# Altium PCB RockerBox_1_SiC780A_Rev01.PcbDoc (part 1 of 5) (continued)
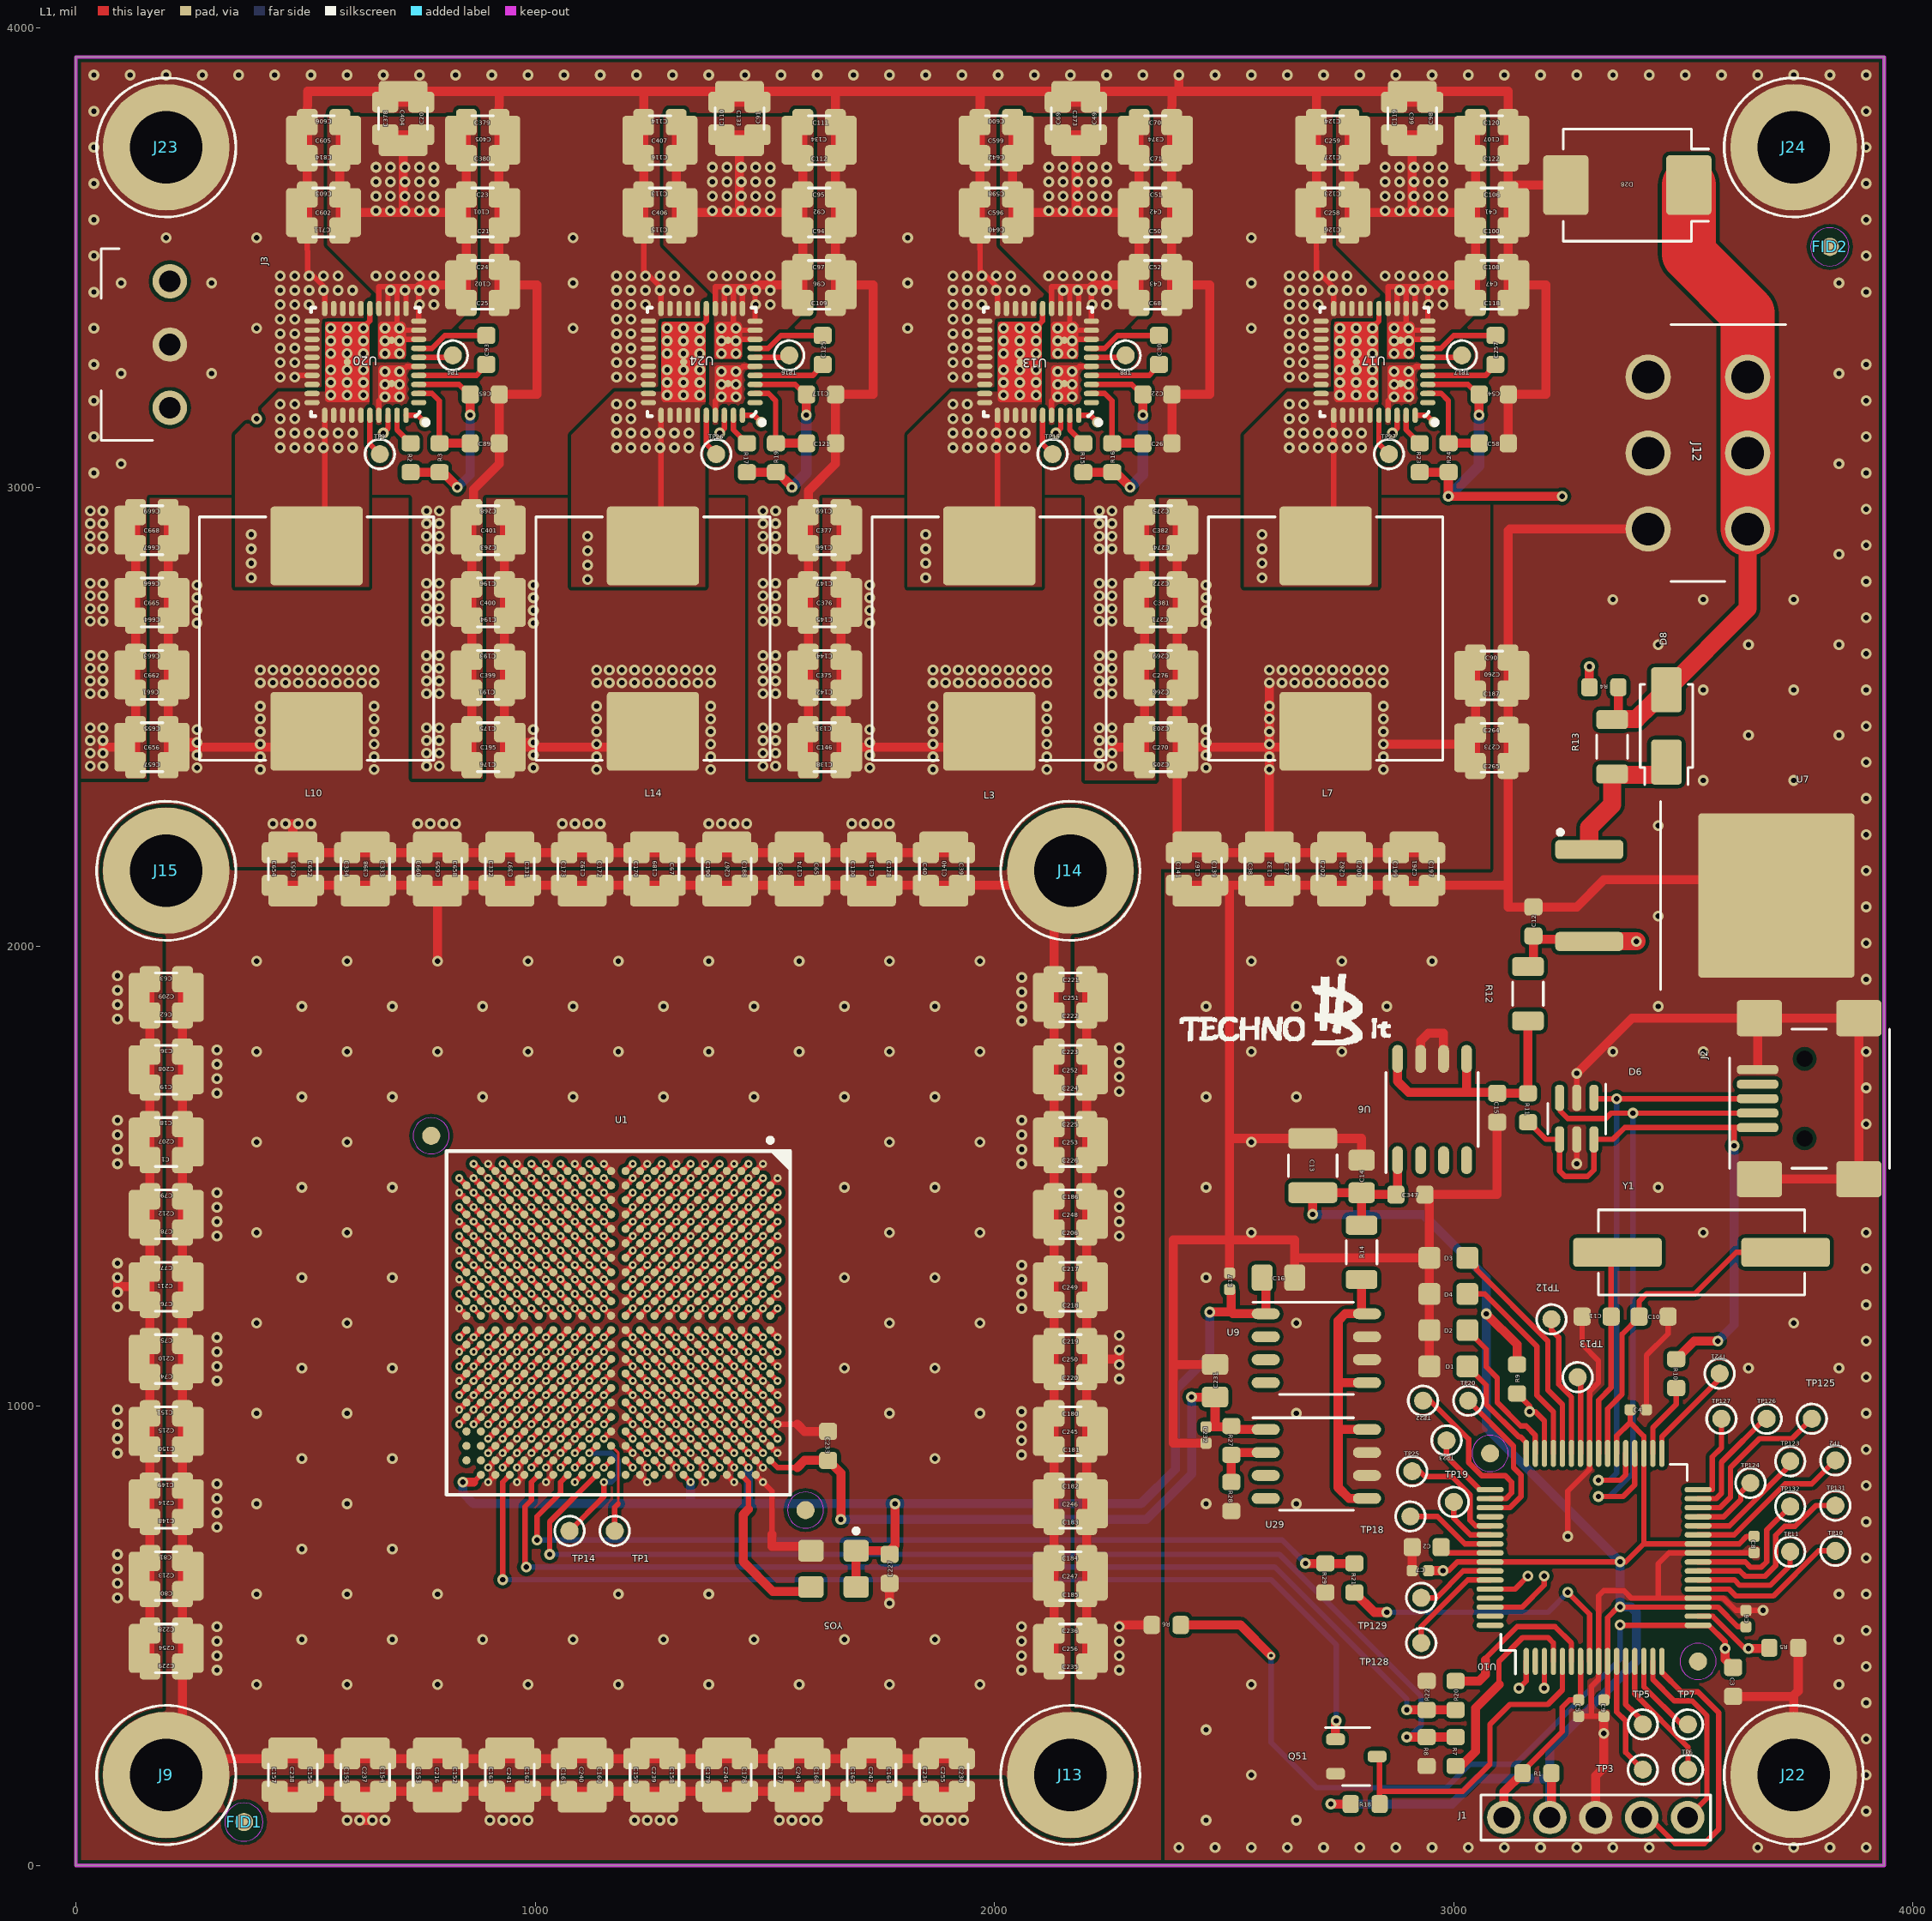
[diagram p0: L1 view]
## Design rules (kind name [scope] priority, off if disabled: settings) (continued)
PolygonConnect "Polygon Connect Style - L3 Round thru-hole pad from global defaults" [IsPad And OnMultiLayer And (PadShape_MidLayer1 = 'Round') And (PadXSize_MidLayer1 = PADYSize_MidLayer1) vs Layer = 'L3'] p25: connectstyle=Relief reliefconductorwidth=19.68 reliefentries=4 polygonreliefangle="90 Angle" airgapwidth=10
PolygonConnect "Polygon Connect Style - Via from round thru-hole global defaults" [IsVia] p26: connectstyle=Relief reliefconductorwidth=19.68 reliefentries=4 polygonreliefangle="90 Angle" airgapwidth=10
PolygonConnect "Polygon Connect Style - L1 Round thru-hole pad from global defaults" [IsPad And OnMultiLayer And (PadShape_TopLayer = 'Round') And (PadXSize_TopLayer = PADYSize_TopLayer) vs Layer = 'L1'] p27: connectstyle=Relief reliefconductorwidth=19.68 reliefentries=4 polygonreliefangle="90 Angle" airgapwidth=10
PolygonConnect "Polygon Connect Style - L4 Square thru-hole pad from global defaults" [IsPad And OnMultiLayer And ((PadShape_BottomLayer = 'Rectangular') Or (PadShape_BottomLayer = 'Octagonal') Or (PadShape_BottomLayer = 'Rounded Rectangle')) And (PadXSize_BottomLayer = PADYSize_BottomLayer) vs Layer = 'L4'] p28: connectstyle=Relief reliefconductorwidth=19.68 reliefentries=4 polygonreliefangle="90 Angle" airgapwidth=10
PolygonConnect "Polygon Connect Style - L3 Square thru-hole pad from global defaults" [IsPad And OnMultiLayer And ((PadShape_MidLayer1 = 'Rectangular') Or (PadShape_MidLayer1 = 'Octagonal') Or (PadShape_MidLayer1 = 'Rounded Rectangle')) And (PadXSize_MidLayer1 = PADYSize_MidLayer1) vs Layer = 'L3'] p29: connectstyle=Relief reliefconductorwidth=19.68 reliefentries=4 polygonreliefangle="90 Angle" airgapwidth=10
PolygonConnect "Polygon Connect Style - L1 Square thru-hole pad from global defaults" [IsPad And OnMultiLayer And ((PadShape_TopLayer = 'Rectangular') Or (PadShape_TopLayer = 'Octagonal') Or (PadShape_TopLayer = 'Rounded Rectangle')) And (PadXSize_TopLayer = PADYSize_TopLayer) vs Layer = 'L1'] p30: connectstyle=Relief reliefconductorwidth=19.68 reliefentries=4 polygonreliefangle="90 Angle" airgapwidth=10
PolygonConnect "Polygon Connect Style - L4 Rect thru-hole pad from global defaults" [IsPad And OnMultiLayer And ((PadShape_BottomLayer = 'Rectangular') Or (PadShape_BottomLayer = 'Octagonal') Or (PadShape_BottomLayer = 'Rounded Rectangle')) And (PadXSize_BottomLayer <> PADYSize_BottomLayer) vs Layer = 'L4'] p31: connectstyle=Relief reliefconductorwidth=19.68 reliefentries=4 polygonreliefangle="90 Angle" airgapwidth=10
PolygonConnect "Polygon Connect Style - L4 Square-rect thru-hole pad from global defaults" [IsPad And OnMultiLayer And (PadShape_BottomLayer = 'Rounded Rectangle') And (PadXSize_BottomLayer = PADYSize_BottomLayer) And (Pad_CornerRadius_BottomLayer = '0%') vs Layer = 'L4'] p32: connectstyle=Relief reliefconductorwidth=19.68 reliefentries=4 polygonreliefangle="90 Angle" airgapwidth=10
PolygonConnect "Polygon Connect Style - L3 Rect thru-hole pad from global defaults" [IsPad And OnMultiLayer And ((PadShape_MidLayer1 = 'Rectangular') Or (PadShape_MidLayer1 = 'Octagonal') Or (PadShape_MidLayer1 = 'Rounded Rectangle')) And (PadXSize_MidLayer1 <> PADYSize_MidLayer1) vs Layer = 'L3'] p33: connectstyle=Relief reliefconductorwidth=19.68 reliefentries=4 polygonreliefangle="90 Angle" airgapwidth=10
PolygonConnect "Polygon Connect Style - L3 Square-rect thru-hole pad from global defaults" [IsPad And OnMultiLayer And (PadShape_MidLayer1 = 'Rounded Rectangle') And (PadXSize_MidLayer1 = PADYSize_MidLayer1) And (Pad_CornerRadius_MidLayer1 = '0%') vs Layer = 'L3'] p34: connectstyle=Relief reliefconductorwidth=19.68 reliefentries=4 polygonreliefangle="90 Angle" airgapwidth=10
PolygonConnect "Polygon Connect Style - L1 Rect thru-hole pad from global defaults" [IsPad And OnMultiLayer And ((PadShape_TopLayer = 'Rectangular') Or (PadShape_TopLayer = 'Octagonal') Or (PadShape_TopLayer = 'Rounded Rectangle')) And (PadXSize_TopLayer <> PADYSize_TopLayer) vs Layer = 'L1'] p35: connectstyle=Relief reliefconductorwidth=19.68 reliefentries=4 polygonreliefangle="90 Angle" airgapwidth=10
PolygonConnect "Polygon Connect Style - L1 Square-rect thru-hole pad from global defaults" [IsPad And OnMultiLayer And (PadShape_TopLayer = 'Rounded Rectangle') And (PadXSize_TopLayer = PADYSize_TopLayer) And (Pad_CornerRadius_TopLayer = '0%') vs Layer = 'L1'] p36: connectstyle=Relief reliefconductorwidth=19.68 reliefentries=4 polygonreliefangle="90 Angle" airgapwidth=10
PolygonConnect "Polygon Connect Style - L4 Oval thru-hole pad from global defaults" [IsPad And OnMultiLayer And (PadShape_BottomLayer = 'Round') And (PadXSize_BottomLayer <> PADYSize_BottomLayer) vs Layer = 'L4'] p37: connectstyle=Relief reliefconductorwidth=19.68 reliefentries=4 polygonreliefangle="90 Angle" airgapwidth=10
PolygonConnect "Polygon Connect Style - L4 Round-oval thru-hole pad from global defaults" [IsPad And OnMultiLayer And (PadShape_BottomLayer = 'Rounded Rectangle') And (PadXSize_BottomLayer = PADYSize_BottomLayer) And (Pad_CornerRadius_BottomLayer = '100%') vs Layer = 'L4'] p38: connectstyle=Relief reliefconductorwidth=19.68 reliefentries=4 polygonreliefangle="90 Angle" airgapwidth=10
PolygonConnect "Polygon Connect Style - L3 Oval thru-hole pad from global defaults" [IsPad And OnMultiLayer And (PadShape_MidLayer1 = 'Round') And (PadXSize_MidLayer1 <> PADYSize_MidLayer1) vs Layer = 'L3'] p39: connectstyle=Relief reliefconductorwidth=19.68 reliefentries=4 polygonreliefangle="90 Angle" airgapwidth=10
PolygonConnect "Polygon Connect Style - L3 Round-oval thru-hole pad from global defaults" [IsPad And OnMultiLayer And (PadShape_MidLayer1 = 'Rounded Rectangle') And (PadXSize_MidLayer1 = PADYSize_MidLayer1) And (Pad_CornerRadius_MidLayer1 = '100%') vs Layer = 'L3'] p40: connectstyle=Relief reliefconductorwidth=19.68 reliefentries=4 polygonreliefangle="90 Angle" airgapwidth=10
PolygonConnect "Polygon Connect Style - L1 Oval thru-hole pad from global defaults" [IsPad And OnMultiLayer And (PadShape_TopLayer = 'Round') And (PadXSize_TopLayer <> PADYSize_TopLayer) vs Layer = 'L1'] p41: connectstyle=Relief reliefconductorwidth=19.68 reliefentries=4 polygonreliefangle="90 Angle" airgapwidth=10
PolygonConnect "Polygon Connect Style - L1 Round-oval thru-hole pad from global defaults" [IsPad And OnMultiLayer And (PadShape_TopLayer = 'Rounded Rectangle') And (PadXSize_TopLayer = PADYSize_TopLayer) And (Pad_CornerRadius_TopLayer = '100%') vs Layer = 'L1'] p42: connectstyle=Relief reliefconductorwidth=19.68 reliefentries=4 polygonreliefangle="90 Angle" airgapwidth=10
PolygonConnect [All] p43: connectstyle=Relief reliefconductorwidth=10 reliefentries=4 polygonreliefangle="90 Angle" airgapwidth=10
RoomDefinition U_CPU_Power [InComponentClass('U_CPU_Power')] p1: confinementstyle=ConfineIn formatcopy=TRUE lockcomponents=FALSE outline -27240.16,-29844.49 -25240.16,-29844.49 -25240.16,-28844.49 -27240.16,-28844.49
RoomDefinition U_CPU_Logic [InComponentClass('U_CPU_Logic')] p2: confinementstyle=ConfineIn formatcopy=TRUE lockcomponents=FALSE outline -27240.16,-29844.49 -25240.16,-29844.49 -25240.16,-28844.49 -27240.16,-28844.49
RoomDefinition SMPS [InComponentClass('SMPS')] p3: confinementstyle=ConfineIn formatcopy=TRUE lockcomponents=FALSE outline -27240.16,-29844.49 -25240.16,-29844.49 -25240.16,-28844.49 -27240.16,-28844.49
RoomDefinition MCU [InComponentClass('MCU')] p4: confinementstyle=ConfineIn formatcopy=TRUE lockcomponents=FALSE outline -27240.16,-29844.49 -25240.16,-29844.49 -25240.16,-28844.49 -27240.16,-28844.49
RoutingLayers "'Default' PADS rule_3" [All] p1: top layer_v5=TRUE mid layer 1_v5=TRUE bottom layer_v5=TRUE
RoutingPriority "'Default' PADS rule_2" [All] p1: routingpriority=3
RoutingTopology "'Default' PADS rule" [All] p1: topology=Shortest
RoutingVias "'Default' PADS rule_4" [All] p1: holewidth=11.81 width=23.62 viastyle="Through Hole" minholewidth=11.81 minwidth=23.62 maxholewidth=11.81 maxwidth=23.62
SMDToCorner "'All on Layer' PADS rule_50" [OnLayer('L2') vs OnLayer('L2')] p1: distance=39370
SMDToCorner "'All on Layer' PADS rule_35" [OnLayer('L3') vs OnLayer('L3')] p2: distance=39370
SMDToCorner "'Default' PADS rule_17" [All] p3: distance=39370
SMDToPlane "'All on Layer' PADS rule_51" [OnLayer('L2') vs OnLayer('L2')] p1: distance=39370
SMDToPlane "'All on Layer' PADS rule_36" [OnLayer('L3') vs OnLayer('L3')] p2: distance=39370
SMDToPlane "'Default' PADS rule_18" [All] p3: distance=39370
SolderMaskExpansion [All] p1: expansion=4
StubLength "'Default' PADS rule_6" [All] p1: limit=1000
UnpouredPolygon [All] p1: allowunpoured=FALSE
Width "'All on Layer' PADS rule_48" [OnLayer('L2') vs OnLayer('L2')] p1: maxlimit=118.11 minlimit=9.84 preferedwidth=11.81
Width "'All on Layer' PADS rule" [OnLayer('L3') vs OnLayer('L3')] p2: maxlimit=118.11 minlimit=9.84 preferedwidth=11.81
Width "'Default' PADS rule_14" [All] p3: maxlimit=118.11 minlimit=5.12 preferedwidth=19.68
23 further rules are at their usual default settings.

## Classes and differential pairs
component class U_CPU_Power: C1 C18 C19 C36 C62 C63 C74 C75 C76 C77 C78 C79 C80 C81 C148 C149 C150 C151 C152 C153 C154 C155 C156 C157 C158 C159 C160 C161 C162 C163 C164 C165 C168 C177 C178 C179 C180 C181 C182 C183 C184 C185 C186 C206 C207 C208 C209 C210 C211 C212 C213 C214 C215 C216 C217 C218 C219 C220 C221 C222 C223 C224 C225 C226 C228 C229 C230 C234 C235 C236 C237 C238 C239 C240 C241 C242 C243 C244 C245 C246 C247 C248 C249 C250 C251 C252 C253 C254 C255 C256 U1
component class U_CPU_Logic: C227 C233 TP1 TP14 YO5
component class SMPS: C20 C21 C22 C23 C24 C25 C26 C30 C37 C38 C39 C40 C41 C42 C43 C47 C49 C50 C51 C52 C54 C58 C65 C66 C67 C68 C69 C70 C71 C85 C89 C90 C91 C92 C93 C94 C95 C96 C97 C98 C99 C100 C101 C102 C106 C107 C108 C109 C110 C111 C112 C113 C114 C115 C116 C117 C118 C119 C120 C121 C122 C123 C124 C125 C126 C127 C128 C130 C131 C132 C133 C134 C138 C139 C140 C141 C142 C143 C144 C145 C146 C147 C166 C167 C169 C170 C172 C173 C174 C175 C176 C187 C188 C189 C190 C191 C192 C193 C194 C195 C196 C197 C199 C200 C202 C203 C205 C257 C258 C259 C260 C261 C262 C263 C264 C265 C266 C267 C268 C269 C270 C271 C272 C273 C274 C275 C276 C331 C332 C333 C334 C373 C374 C375 C376 C377 C378 C379 C380 C381 C382 C397 C398 C399 C400 C401 C404 C405 C406 C407 C596 C598 C599 C600 C602 C603 C605 C606 C640 C642 C652 C653 C654 C655 C656 C657 C658 C659 C660 C661 C662 C663 C664 C665 C666 C667 C668 C669 C711 C814 L3 L7 L10 L14 R2 R3 R15 R16 R17 R19 R23 R24 TP4 TP8 TP9 TP15 TP16 TP17 TP26 TP27 U13 U17 U20 U24
component class MCU: C2 C3 C4 C5 C6 C7 C8 C9 C10 C11 C12 C13 C14 C15 C16 C17 C231 C232 C347 D1 D2 D3 D4 D6 D8 D28 FID1 FID2 J1 J2 J3 J9 J12 J13 J14 J15 J22 J23 J24 Q51 R1 R4 R5 R6 R7 R8 R9 R10 R11 R12 R13 R14 R18 R20 R21 R22 R27 R28 R29 TP2 TP3 TP5 TP6 TP7 TP10 TP11 TP12 TP13 TP18 TP19 TP20 TP21 TP22 TP23 TP25 TP123 TP124 TP125 TP126 TP127 TP128 TP129 TP131 TP132 U6 U7 U9 U10 U29 Y1

## Components (designator, comment, footprint, x,y, rotation, side; value= is the part's Value field where it differs from the comment)
C1 "22uF" SMD_0805_CAPC2012X145N 196.85,1535.43 r180 top
C2 "10uF" SMD_0603_CAPC1608X95N 2940.94,692.91 r180 top
C3 "1nF" SMD_0603_CAPC1608X95N 3608.27,399.61 r270 top
C4 "100nF" SMD_0402_CAPC1005X55N 3401.57,992.13 r0 top
C5 "100nF" SMD_0402_CAPC1005X55N 3271.65,342.52 r270 top
C6 "100nF" SMD_0402_CAPC1005X55N 3635.83,537.4 r90 top
C7 "100nF" SMD_0402_CAPC1005X55N 2927.17,641.73 r180 top
C8 "100nF" SMD_0402_CAPC1005X55N 3653.54,698.82 r270 top
C9 "100nF" SMD_0402_CAPC1005X55N 3326.77,342.52 r270 top
C10 "18pF" SMD_0603_CAPC1608X95N 3435.04,1194.88 r0 top
C11 "18pF" SMD_0603_CAPC1608X95N 3311.02,1194.88 r180 top
C12 "10uF" SMD_0603_CAPC1608X95N 3173.43,2055.12 r90 top
C13 "220uF" SMD_1210_CAPC3225X279N 2692.91,1523.62 r270 top
C14 "22uF" SMD_0805_CAPC2012X145N 2799.21,1500 r90 top
C15 "10uF" SMD_0603_CAPC1608X95N 3094.49,1649.61 r270 top
C16 "22uF" SMD_0805_CAPC2012X145N 2618.11,1279.53 r0 top
C17 "100nF" SMD_0402_CAPC1005X55N 2511.81,1271.65 r90 top
C18 "22uF" SMD_0805_CAPC2012X145N 196.85,1614.17 r180 top
C19 "22uF" SMD_0805_CAPC2012X145N 196.85,1692.91 r180 top
C20 "10uF" SMD_0805_CAPC2012X145N 751.97,3803.15 r90 top
C21 "10uF" SMD_0805_CAPC2012X145N 885.83,3559.06 r0 top
C22 "10uF" SMD_0603_CAPC1608X95N 2354.78,3202.35 r180 top
C23 "10uF" SMD_0805_CAPC2012X145N 885.83,3637.8 r0 top
C24 "10uF" SMD_0805_CAPC2012X145N 885.83,3480.31 r0 top
C25 "10uF" SMD_0805_CAPC2012X145N 885.83,3401.57 r0 top
C26 "100nF" SMD_0603_CAPC1608X95N 2354.78,3096.05 r0 top
C30 "220nF" SMD_0603_CAPC1608X95N 2358.27,3299.21 r90 top
C36 "22uF" SMD_0805_CAPC2012X145N 196.85,1771.65 r180 top
C37 "22uF" SMD_0805_CAPC2012X145N 2637.79,2169.2 r270 top
C38 "22uF" SMD_0805_CAPC2012X145N 2559.05,2169.2 r270 top
C39 "22uF" SMD_0805_CAPC2012X145N 1929.13,2169.29 r270 top
C40 "22uF" SMD_0805_CAPC2012X145N 1850.39,2169.29 r270 top
C41 "100uF" SMD_1210_CAPC3225X270N 3082.68,3598.43 r180 top
C42 "100uF" SMD_1210_CAPC3225X270N 2350.39,3598.43 r180 top
C43 "100uF" SMD_1210_CAPC3225X270N 2350.39,3440.94 r180 top
C47 "100uF" SMD_1210_CAPC3225X270N 3082.68,3440.94 r180 top
C49 "10uF" SMD_0805_CAPC2012X145N 2216.54,3803.15 r90 top
C50 "10uF" SMD_0805_CAPC2012X145N 2350.39,3559.06 r0 top
C51 "10uF" SMD_0805_CAPC2012X145N 2350.39,3637.8 r0 top
C52 "10uF" SMD_0805_CAPC2012X145N 2350.39,3480.31 r0 top
C54 "10uF" SMD_0603_CAPC1608X95N 3087.07,3202.35 r180 top
C58 "100nF" SMD_0603_CAPC1608X95N 3087.07,3096.05 r0 top
C62 "22uF" SMD_0805_CAPC2012X145N 196.85,1850.39 r180 top
C63 "22uF" SMD_0805_CAPC2012X145N 196.85,1929.13 r180 top
C65 "22uF" SMD_0805_CAPC2012X145N 1614.17,2169.29 r270 top
C66 "22uF" SMD_0805_CAPC2012X145N 1535.43,2169.29 r270 top
C67 "22uF" SMD_0805_CAPC2012X145N 1299.21,2169.29 r270 top
C68 "10uF" SMD_0805_CAPC2012X145N 2350.39,3401.57 r0 top
C69 "10uF" SMD_0805_CAPC2012X145N 2137.8,3803.15 r90 top
C70 "10uF" SMD_0805_CAPC2012X145N 2350.39,3795.28 r0 top
C71 "10uF" SMD_0805_CAPC2012X145N 2350.39,3716.54 r0 top
C74 "22uF" SMD_0805_CAPC2012X145N 196.85,1062.99 r180 top
C75 "22uF" SMD_0805_CAPC2012X145N 196.85,1141.73 r180 top
C76 "22uF" SMD_0805_CAPC2012X145N 196.85,1220.47 r180 top
C77 "22uF" SMD_0805_CAPC2012X145N 196.85,1299.21 r180 top
C78 "22uF" SMD_0805_CAPC2012X145N 196.85,1377.95 r180 top
C79 "22uF" SMD_0805_CAPC2012X145N 196.85,1456.69 r180 top
C80 "22uF" SMD_0805_CAPC2012X145N 196.85,590.55 r180 top
C81 "22uF" SMD_0805_CAPC2012X145N 196.85,669.29 r180 top
C85 "10uF" SMD_0603_CAPC1608X95N 890.21,3202.35 r180 top
C89 "100nF" SMD_0603_CAPC1608X95N 890.21,3096.05 r0 top
C90 "22uF" SMD_0805_CAPC2012X145N 3082.68,2629.92 r0 top
C91 "10uF" SMD_0805_CAPC2012X145N 1484.25,3803.15 r90 top
C92 "100uF" SMD_1210_CAPC3225X270N 1618.11,3598.43 r180 top
C93 "220nF" SMD_0603_CAPC1608X95N 893.7,3299.21 r90 top
C94 "10uF" SMD_0805_CAPC2012X145N 1618.11,3559.06 r0 top
C95 "10uF" SMD_0805_CAPC2012X145N 1618.11,3637.8 r0 top
C96 "100uF" SMD_1210_CAPC3225X270N 1618.11,3440.94 r180 top
C97 "10uF" SMD_0805_CAPC2012X145N 1618.11,3480.31 r0 top
C98 "10uF" SMD_0805_CAPC2012X145N 2948.82,3803.15 r90 top
C99 "100uF" SMD_1210_CAPC3225X270N 2909.45,3803.15 r270 top
C100 "10uF" SMD_0805_CAPC2012X145N 3082.68,3559.06 r0 top
C101 "100uF" SMD_1210_CAPC3225X270N 885.83,3598.43 r180 top
C102 "100uF" SMD_1210_CAPC3225X270N 885.83,3440.94 r180 top
C106 "10uF" SMD_0805_CAPC2012X145N 3082.68,3637.8 r0 top
C107 "100uF" SMD_1210_CAPC3225X270N 3082.68,3755.91 r180 top
C108 "10uF" SMD_0805_CAPC2012X145N 3082.68,3480.31 r0 top
C109 "10uF" SMD_0805_CAPC2012X145N 1618.11,3401.57 r0 top
C110 "10uF" SMD_0805_CAPC2012X145N 1405.51,3803.15 r90 top
C111 "10uF" SMD_0805_CAPC2012X145N 1618.11,3795.28 r0 top
C112 "10uF" SMD_0805_CAPC2012X145N 1618.11,3716.54 r0 top
C113 "10uF" SMD_0805_CAPC2012X145N 1271.65,3637.8 r180 top
C114 "10uF" SMD_0805_CAPC2012X145N 1271.65,3795.28 r180 top
C115 "10uF" SMD_0805_CAPC2012X145N 1271.65,3559.06 r180 top
C116 "10uF" SMD_0805_CAPC2012X145N 1271.65,3716.54 r180 top
C117 "10uF" SMD_0603_CAPC1608X95N 1622.5,3202.35 r180 top
C118 "10uF" SMD_0805_CAPC2012X145N 3082.68,3401.57 r0 top
C119 "10uF" SMD_0805_CAPC2012X145N 2870.08,3803.15 r90 top
C120 "10uF" SMD_0805_CAPC2012X145N 3082.68,3795.28 r0 top
C121 "100nF" SMD_0603_CAPC1608X95N 1622.5,3096.05 r0 top
C122 "10uF" SMD_0805_CAPC2012X145N 3082.68,3716.54 r0 top
C123 "10uF" SMD_0805_CAPC2012X145N 2736.22,3637.8 r180 top
C124 "10uF" SMD_0805_CAPC2012X145N 2736.22,3795.28 r180 top
C125 "220nF" SMD_0603_CAPC1608X95N 1625.98,3299.21 r90 top
C126 "10uF" SMD_0805_CAPC2012X145N 2736.22,3559.06 r180 top
C127 "10uF" SMD_0805_CAPC2012X145N 2736.22,3716.54 r180 top
C128 "22uF" SMD_0805_CAPC2012X145N 1771.65,2169.29 r270 top
C130 "22uF" SMD_0805_CAPC2012X145N 1692.91,2169.29 r270 top
C131 "22uF" SMD_0805_CAPC2012X145N 1630.05,2473.81 r180 top
C132 "220uF" SMD_1210_CAPC3225X279N 2598.42,2169.2 r90 top
C133 "100uF" SMD_1210_CAPC3225X270N 1444.88,3803.15 r270 top
C134 "100uF" SMD_1210_CAPC3225X270N 1618.11,3755.91 r180 top
C138 "22uF" SMD_0805_CAPC2012X145N 1630.05,2395.07 r180 top
C139 "22uF" SMD_0805_CAPC2012X145N 2480.31,2169.2 r270 top
C140 "220uF" SMD_1210_CAPC3225X279N 1889.76,2169.29 r90 top
C141 "22uF" SMD_0805_CAPC2012X145N 2401.57,2169.2 r270 top
C142 "22uF" SMD_0805_CAPC2012X145N 1630.05,2552.55 r180 top
C143 "220uF" SMD_1210_CAPC3225X279N 1732.28,2169.29 r90 top
C144 "22uF" SMD_0805_CAPC2012X145N 1630.05,2631.29 r180 top
C145 "22uF" SMD_0805_CAPC2012X145N 1630.05,2710.03 r180 top
C146 "220uF" SMD_1210_CAPC3225X279N 1630.05,2434.44 r0 top
C147 "22uF" SMD_0805_CAPC2012X145N 1630.05,2788.77 r180 top
C148 "22uF" SMD_0805_CAPC2012X145N 196.85,748.03 r180 top
C149 "22uF" SMD_0805_CAPC2012X145N 196.85,826.77 r180 top
C150 "22uF" SMD_0805_CAPC2012X145N 196.85,905.51 r180 top
C151 "22uF" SMD_0805_CAPC2012X145N 196.85,984.25 r180 top
C152 "22uF" SMD_0805_CAPC2012X145N 826.77,196.85 r270 top
C153 "22uF" SMD_0805_CAPC2012X145N 748.03,196.85 r270 top
C154 "22uF" SMD_0805_CAPC2012X145N 669.29,196.85 r270 top
C155 "22uF" SMD_0805_CAPC2012X145N 590.55,196.85 r270 top
C156 "22uF" SMD_0805_CAPC2012X145N 511.81,196.85 r270 top
C157 "22uF" SMD_0805_CAPC2012X145N 433.07,196.85 r270 top
C158 "22uF" SMD_0805_CAPC2012X145N 1299.21,196.85 r270 top
C159 "22uF" SMD_0805_CAPC2012X145N 1220.47,196.85 r270 top
C160 "22uF" SMD_0805_CAPC2012X145N 1141.73,196.85 r270 top
C161 "22uF" SMD_0805_CAPC2012X145N 1062.99,196.85 r270 top
C162 "22uF" SMD_0805_CAPC2012X145N 984.25,196.85 r270 top
C163 "22uF" SMD_0805_CAPC2012X145N 905.51,196.85 r270 top
C164 "22uF" SMD_0805_CAPC2012X145N 1771.65,196.85 r270 top
C165 "22uF" SMD_0805_CAPC2012X145N 1692.91,196.85 r270 top
C166 "22uF" SMD_0805_CAPC2012X145N 1630.05,2867.51 r180 top
C167 "220uF" SMD_1210_CAPC3225X279N 2440.94,2169.2 r90 top
C168 "22uF" SMD_0805_CAPC2012X145N 1614.17,196.85 r270 top
C169 "22uF" SMD_0805_CAPC2012X145N 1630.05,2946.25 r180 top
C170 "22uF" SMD_0805_CAPC2012X145N 1220.47,2169.29 r270 top
C172 "22uF" SMD_0805_CAPC2012X145N 1141.73,2169.29 r270 top
C173 "22uF" SMD_0805_CAPC2012X145N 1062.99,2169.29 r270 top
C174 "220uF" SMD_1210_CAPC3225X279N 1574.8,2169.29 r90 top
C175 "22uF" SMD_0805_CAPC2012X145N 897.76,2473.81 r180 top
C176 "22uF" SMD_0805_CAPC2012X145N 897.76,2395.07 r180 top
C177 "22uF" SMD_0805_CAPC2012X145N 1535.43,196.85 r270 top
C178 "22uF" SMD_0805_CAPC2012X145N 1456.69,196.85 r270 top
C179 "22uF" SMD_0805_CAPC2012X145N 1377.95,196.85 r270 top
C180 "22uF" SMD_0805_CAPC2012X145N 2165.35,984.25 r0 top
C181 "22uF" SMD_0805_CAPC2012X145N 2165.35,905.51 r0 top
C182 "22uF" SMD_0805_CAPC2012X145N 2165.35,826.77 r0 top
C183 "22uF" SMD_0805_CAPC2012X145N 2165.35,748.03 r0 top
C184 "22uF" SMD_0805_CAPC2012X145N 2165.35,669.29 r0 top
C185 "22uF" SMD_0805_CAPC2012X145N 2165.35,590.55 r0 top
C186 "22uF" SMD_0805_CAPC2012X145N 2165.35,1456.69 r0 top
C187 "22uF" SMD_0805_CAPC2012X145N 3082.68,2551.18 r0 top
C188 "22uF" SMD_0805_CAPC2012X145N 1456.69,2169.29 r270 top
C189 "220uF" SMD_1210_CAPC3225X279N 1259.84,2169.29 r90 top
C190 "22uF" SMD_0805_CAPC2012X145N 1377.95,2169.29 r270 top
C191 "22uF" SMD_0805_CAPC2012X145N 897.76,2552.55 r180 top
C192 "220uF" SMD_1210_CAPC3225X279N 1102.36,2169.29 r90 top
C193 "22uF" SMD_0805_CAPC2012X145N 897.76,2631.29 r180 top
C194 "22uF" SMD_0805_CAPC2012X145N 897.76,2710.03 r180 top
C195 "220uF" SMD_1210_CAPC3225X279N 897.76,2434.44 r0 top
C196 "22uF" SMD_0805_CAPC2012X145N 897.76,2788.77 r180 top
C197 "22uF" SMD_0805_CAPC2012X145N 2952.76,2169.29 r270 top
C199 "22uF" SMD_0805_CAPC2012X145N 2874.02,2169.29 r270 top
C200 "22uF" SMD_0805_CAPC2012X145N 2795.28,2169.29 r270 top
C202 "22uF" SMD_0805_CAPC2012X145N 2716.54,2169.29 r270 top
C203 "22uF" SMD_0805_CAPC2012X145N 2362.33,2473.81 r180 top
C205 "22uF" SMD_0805_CAPC2012X145N 2362.33,2395.07 r180 top
C206 "22uF" SMD_0805_CAPC2012X145N 2165.35,1377.95 r0 top
C207 "220uF" SMD_1210_CAPC3225X279N 196.85,1574.8 r180 top
C208 "220uF" SMD_1210_CAPC3225X279N 196.85,1732.28 r180 top
C209 "220uF" SMD_1210_CAPC3225X279N 196.85,1889.76 r180 top
C210 "220uF" SMD_1210_CAPC3225X279N 196.85,1102.36 r180 top
C211 "220uF" SMD_1210_CAPC3225X279N 196.85,1259.84 r180 top
C212 "220uF" SMD_1210_CAPC3225X279N 196.85,1417.32 r180 top
C213 "220uF" SMD_1210_CAPC3225X279N 196.85,629.92 r180 top
C214 "220uF" SMD_1210_CAPC3225X279N 196.85,787.4 r180 top
C215 "220uF" SMD_1210_CAPC3225X279N 196.85,944.88 r180 top
C216 "220uF" SMD_1210_CAPC3225X279N 787.4,196.85 r270 top
C217 "22uF" SMD_0805_CAPC2012X145N 2165.35,1299.21 r0 top
C218 "22uF" SMD_0805_CAPC2012X145N 2165.35,1220.47 r0 top
C219 "22uF" SMD_0805_CAPC2012X145N 2165.35,1141.73 r0 top
C220 "22uF" SMD_0805_CAPC2012X145N 2165.35,1062.99 r0 top
C221 "22uF" SMD_0805_CAPC2012X145N 2165.35,1929.13 r0 top
C222 "22uF" SMD_0805_CAPC2012X145N 2165.35,1850.39 r0 top
C223 "22uF" SMD_0805_CAPC2012X145N 2165.35,1771.65 r0 top
C224 "22uF" SMD_0805_CAPC2012X145N 2165.35,1692.91 r0 top
C225 "22uF" SMD_0805_CAPC2012X145N 2165.35,1614.17 r0 top
C226 "22uF" SMD_0805_CAPC2012X145N 2165.35,1535.43 r0 top
C227 "470nF" SMD_0603_CAPC1608X95N 1771.65,645.67 r90 top
C228 "22uF" SMD_0805_CAPC2012X145N 196.85,511.81 r180 top
C229 "22uF" SMD_0805_CAPC2012X145N 196.85,433.07 r180 top
C230 "22uF" SMD_0805_CAPC2012X145N 1929.13,196.85 r270 top
C231 "22uF" SMD_0805_CAPC2012X145N 2480.31,1055.12 r90 top
C232 "100nF" SMD_0402_CAPC1005X55N 2460.63,937.01 r270 top
C233 "470nF" SMD_0603_CAPC1608X95N 1637.8,913.39 r270 top
C234 "22uF" SMD_0805_CAPC2012X145N 1850.39,196.85 r270 top
C235 "22uF" SMD_0805_CAPC2012X145N 2165.35,433.07 r0 top
C236 "22uF" SMD_0805_CAPC2012X145N 2165.35,511.81 r0 top
C237 "220uF" SMD_1210_CAPC3225X279N 629.92,196.85 r270 top
C238 "220uF" SMD_1210_CAPC3225X279N 472.44,196.85 r270 top
C239 "220uF" SMD_1210_CAPC3225X279N 1259.84,196.85 r270 top
C240 "220uF" SMD_1210_CAPC3225X279N 1102.36,196.85 r270 top
C241 "220uF" SMD_1210_CAPC3225X279N 944.88,196.85 r270 top
C242 "220uF" SMD_1210_CAPC3225X279N 1732.28,196.85 r270 top
C243 "220uF" SMD_1210_CAPC3225X279N 1574.8,196.85 r270 top
C244 "220uF" SMD_1210_CAPC3225X279N 1417.32,196.85 r270 top
C245 "220uF" SMD_1210_CAPC3225X279N 2165.35,944.88 r0 top
C246 "220uF" SMD_1210_CAPC3225X279N 2165.35,787.4 r0 top
C247 "220uF" SMD_1210_CAPC3225X279N 2165.35,629.92 r0 top
C248 "220uF" SMD_1210_CAPC3225X279N 2165.35,1417.32 r0 top
C249 "220uF" SMD_1210_CAPC3225X279N 2165.35,1259.84 r0 top
C250 "220uF" SMD_1210_CAPC3225X279N 2165.35,1102.36 r0 top
C251 "220uF" SMD_1210_CAPC3225X279N 2165.35,1889.76 r0 top
C252 "220uF" SMD_1210_CAPC3225X279N 2165.35,1732.28 r0 top
C253 "220uF" SMD_1210_CAPC3225X279N 2165.35,1574.8 r0 top
C254 "220uF" SMD_1210_CAPC3225X279N 196.85,472.44 r180 top
C255 "220uF" SMD_1210_CAPC3225X279N 1889.76,196.85 r270 top
C256 "220uF" SMD_1210_CAPC3225X279N 2165.35,472.44 r0 top
C257 "220nF" SMD_0603_CAPC1608X95N 3090.55,3299.21 r90 top
C258 "100uF" SMD_1210_CAPC3225X270N 2736.22,3598.43 r0 top
C259 "100uF" SMD_1210_CAPC3225X270N 2736.22,3755.91 r0 top
C260 "220uF" SMD_1210_CAPC3225X279N 3082.68,2590.55 r180 top
C261 "220uF" SMD_1210_CAPC3225X279N 2913.39,2169.29 r90 top
C262 "220uF" SMD_1210_CAPC3225X279N 2755.91,2169.29 r90 top
C263 "22uF" SMD_0805_CAPC2012X145N 897.76,2867.51 r180 top
C264 "22uF" SMD_0805_CAPC2012X145N 3082.68,2472.44 r0 top
C265 "22uF" SMD_0805_CAPC2012X145N 3082.68,2393.7 r0 top
C266 "22uF" SMD_0805_CAPC2012X145N 2362.33,2552.55 r180 top
C267 "220uF" SMD_1210_CAPC3225X279N 1417.32,2169.29 r90 top
C268 "22uF" SMD_0805_CAPC2012X145N 897.76,2946.25 r180 top
C269 "22uF" SMD_0805_CAPC2012X145N 2362.33,2631.29 r180 top
C270 "220uF" SMD_1210_CAPC3225X279N 2362.33,2434.44 r0 top
C271 "22uF" SMD_0805_CAPC2012X145N 2362.33,2710.03 r180 top
C272 "22uF" SMD_0805_CAPC2012X145N 2362.33,2788.77 r180 top
C273 "220uF" SMD_1210_CAPC3225X279N 3082.68,2433.07 r180 top
C274 "22uF" SMD_0805_CAPC2012X145N 2362.33,2867.51 r180 top
C275 "22uF" SMD_0805_CAPC2012X145N 2362.33,2946.25 r180 top
C276 "220uF" SMD_1210_CAPC3225X279N 2362.33,2591.92 r0 top
C331 "22uF" SMD_0805_CAPC2012X145N 984.25,2169.29 r270 top
C332 "22uF" SMD_0805_CAPC2012X145N 905.51,2169.29 r270 top
C333 "22uF" SMD_0805_CAPC2012X145N 669.29,2169.29 r270 top
C334 "22uF" SMD_0805_CAPC2012X145N 590.55,2169.29 r270 top
C347 "1uF" SMD_0603_CAPC1608X95N 2905.51,1460.63 r0 top
C373 "100uF" SMD_1210_CAPC3225X270N 2177.17,3803.15 r270 top
C374 "100uF" SMD_1210_CAPC3225X270N 2350.39,3755.91 r180 top
C375 "220uF" SMD_1210_CAPC3225X279N 1630.05,2591.92 r0 top
C376 "220uF" SMD_1210_CAPC3225X279N 1630.05,2749.4 r0 top
C377 "220uF" SMD_1210_CAPC3225X279N 1630.05,2906.88 r0 top
C378 "10uF" SMD_0805_CAPC2012X145N 673.23,3803.15 r90 top
C379 "10uF" SMD_0805_CAPC2012X145N 885.83,3795.28 r0 top
C380 "10uF" SMD_0805_CAPC2012X145N 885.83,3716.54 r0 top
C381 "220uF" SMD_1210_CAPC3225X279N 2362.33,2749.4 r0 top
C382 "220uF" SMD_1210_CAPC3225X279N 2362.33,2906.88 r0 top
C397 "220uF" SMD_1210_CAPC3225X279N 944.88,2169.29 r90 top
C398 "220uF" SMD_1210_CAPC3225X279N 629.92,2169.29 r90 top
C399 "220uF" SMD_1210_CAPC3225X279N 897.76,2591.92 r0 top
C400 "220uF" SMD_1210_CAPC3225X279N 897.76,2749.4 r0 top
C401 "220uF" SMD_1210_CAPC3225X279N 897.76,2906.88 r0 top
C404 "100uF" SMD_1210_CAPC3225X270N 712.6,3803.15 r270 top
C405 "100uF" SMD_1210_CAPC3225X270N 885.83,3755.91 r180 top
C406 "100uF" SMD_1210_CAPC3225X270N 1271.65,3598.43 r0 top
C407 "100uF" SMD_1210_CAPC3225X270N 1271.65,3755.91 r0 top
C596 "100uF" SMD_1210_CAPC3225X270N 2003.94,3598.43 r0 top
C598 "10uF" SMD_0805_CAPC2012X145N 2003.94,3637.8 r180 top
C599 "100uF" SMD_1210_CAPC3225X270N 2003.94,3755.91 r0 top
C600 "10uF" SMD_0805_CAPC2012X145N 2003.94,3795.28 r180 top
C602 "100uF" SMD_1210_CAPC3225X270N 539.37,3598.43 r0 top
C603 "10uF" SMD_0805_CAPC2012X145N 539.37,3637.8 r180 top
C605 "100uF" SMD_1210_CAPC3225X270N 539.37,3755.91 r0 top
C606 "10uF" SMD_0805_CAPC2012X145N 539.37,3795.28 r180 top
C640 "10uF" SMD_0805_CAPC2012X145N 2003.94,3559.06 r180 top
C642 "10uF" SMD_0805_CAPC2012X145N 2003.94,3716.54 r180 top
C652 "22uF" SMD_0805_CAPC2012X145N 511.81,2169.29 r270 top
C653 "220uF" SMD_1210_CAPC3225X279N 472.44,2169.29 r90 top
C654 "22uF" SMD_0805_CAPC2012X145N 433.07,2169.29 r270 top
C655 "22uF" SMD_0805_CAPC2012X145N 165.48,2473.81 r180 top
C656 "220uF" SMD_1210_CAPC3225X279N 165.48,2434.44 r0 top
C657 "22uF" SMD_0805_CAPC2012X145N 165.48,2395.07 r180 top
C658 "22uF" SMD_0805_CAPC2012X145N 826.77,2169.29 r270 top
C659 "220uF" SMD_1210_CAPC3225X279N 787.4,2169.29 r90 top
C660 "22uF" SMD_0805_CAPC2012X145N 748.03,2169.29 r270 top
C661 "22uF" SMD_0805_CAPC2012X145N 165.48,2552.55 r180 top
C662 "220uF" SMD_1210_CAPC3225X279N 165.48,2591.92 r0 top
C663 "22uF" SMD_0805_CAPC2012X145N 165.48,2631.29 r180 top
C664 "22uF" SMD_0805_CAPC2012X145N 165.48,2710.03 r180 top
C665 "220uF" SMD_1210_CAPC3225X279N 165.48,2749.4 r0 top
C666 "22uF" SMD_0805_CAPC2012X145N 165.48,2788.77 r180 top
C667 "22uF" SMD_0805_CAPC2012X145N 165.48,2867.51 r180 top
C668 "220uF" SMD_1210_CAPC3225X279N 165.48,2906.88 r0 top
C669 "22uF" SMD_0805_CAPC2012X145N 165.48,2946.25 r180 top
C711 "10uF" SMD_0805_CAPC2012X145N 539.37,3559.06 r180 top
C814 "10uF" SMD_0805_CAPC2012X145N 539.37,3716.54 r180 top
D1 "LED RED" SMD_0805_LED2012X100N 2988.19,1086.61 r0 top
D2 "LED GREEN" SMD_0805_LED2012X100N 2988.19,1165.35 r0 top
D3 "LED YELLOW" SMD_0805_LED2012X100N 2988.19,1322.83 r0 top
D4 "LED ORANGE" SMD_0805_LED2012X100N 2988.19,1244.09 r0 top
D6 "SMS05T1G" SMD_SOT457_SOT95P275X110-6N 3267.72,1625.98 r270 top
D8 "SS14" SMD_DO214AC_SMA 3462.93,2480.65 r90 top
D28 "SMCJ12A" SMD_DO214AC_SMC 3377.84,3658.13 r180 top
FID1 "FIDUCIAL 100X200" FID100X200 366.14,94.49 r0 top
FID2 "FIDUCIAL 100X200" FID100X200 3818.9,3523.62 r0 top
J1 "CONN PCB 5P M S" PTH_HDRV05W64P254_1X05 3309.06,104.33 r0 top
J2 "USB MINI" SMD_CON-CVILUX-CU04-SCM15B0 3763.78,1669.29 r90 top
J3 "HD-351-3P" PTH_CON_HD-351-3P 204.72,3311.02 r90 top
J9 "PTH_MTG400_700" PTH_MTG400_700 196.85,196.85 r0 top
J12 "WR-MPC4" PTH_CON_WR-MRC4-6P_S 3531.5,3074.8 r270 top
J13 "PTH_MTG400_700" PTH_MTG400_700 2165.35,196.85 r0 top
J14 "PTH_MTG400_700" PTH_MTG400_700 2165.35,2165.35 r0 top
J15 "PTH_MTG400_700" PTH_MTG400_700 196.85,2165.35 r0 top
J22 "PTH_MTG400_700" PTH_MTG400_700 3740.16,196.85 r0 top
J23 "PTH_MTG400_700" PTH_MTG400_700 196.85,3740.16 r0 top
J24 "PTH_MTG400_700" PTH_MTG400_700 3740.16,3740.16 r0 top
L3 "DB_VALUE" SMT_INDM135130X800N 1988.64,2670.85 r270 top
L7 "DB_VALUE" SMT_INDM135130X800N 2720.92,2670.85 r270 top
L10 "DB_VALUE" SMT_INDM135130X800N 524.07,2670.85 r270 top
L14 "DB_VALUE" SMT_INDM135130X800N 1256.36,2670.85 r270 top
Q51 "BSS138" SMD_SOT23_SOT95P240X112-3N 2787.64,237.31 r0 top
R1 "10k" SMD_0603_RESC1608X55N 3181.1,200.79 r0 top
R2 "10k" SMD_0603_RESC1608X55N 728.8,3064.55 r270 top
R3 "100R" SMD_0603_RESC1608X55N 791.79,3064.55 r90 top
R4 "10k" SMD_0603_RESC1608X55N 3326.72,2565.06 r180 top
R5 "2.4k" SMD_0603_RESC1608X55N 3718.35,473.87 r180 top
R6 "10k" SMD_0603_RESC1608X55N 2374.02,523.62 r180 top
R7 "1k" SMD_0603_RESC1608X55N 3003.94,248.03 r270 top
R8 "1k" SMD_0603_RESC1608X55N 2940.94,248.03 r270 top
R9 "10k" SMD_0603_RESC1608X55N 3137.8,1059.06 r90 top
R10 "10k" SMD_0603_RESC1608X55N 3484.25,1070.87 r270 top
R11 "0R" SMD_0603_RESC1608X55N 3161.42,1649.61 r270 top
R12 "2R" SMD_1206_RESC3216X65N 3161.42,1897.64 r270 top
R13 "100R" SMD_1206_RESC3216X65N 3344.79,2435.3 r90 top
R14 "0R" SMD_1206_RESC3216X65N 2799.21,1334.65 r90 top
R15 "10k" SMD_0603_RESC1608X55N 2193.36,3064.55 r270 top
R16 "100R" SMD_0603_RESC1608X55N 2256.36,3064.55 r90 top
R17 "10k" SMD_0603_RESC1608X55N 1461.08,3064.55 r270 top